# Altium PCB SOM Board with RK3399.PcbDoc (part 4 of 5)
Units mil, origin at the board's own origin, x right, y up, seen from the top; angles counter-clockwise.
Board outline 2740.16 x 1968.5 mil, 12 copper layers (Top Layer, GND-1, PWR-1, PWR-2, GND-2, L1, GND-3, L2, GND-4, L3, GND-5, Bottom Layer), stack 70.898 mil thick; 567 components, 532 nets, 5770 pads, 0 vias.
Unrouted connection lines stored in the file: 2231.
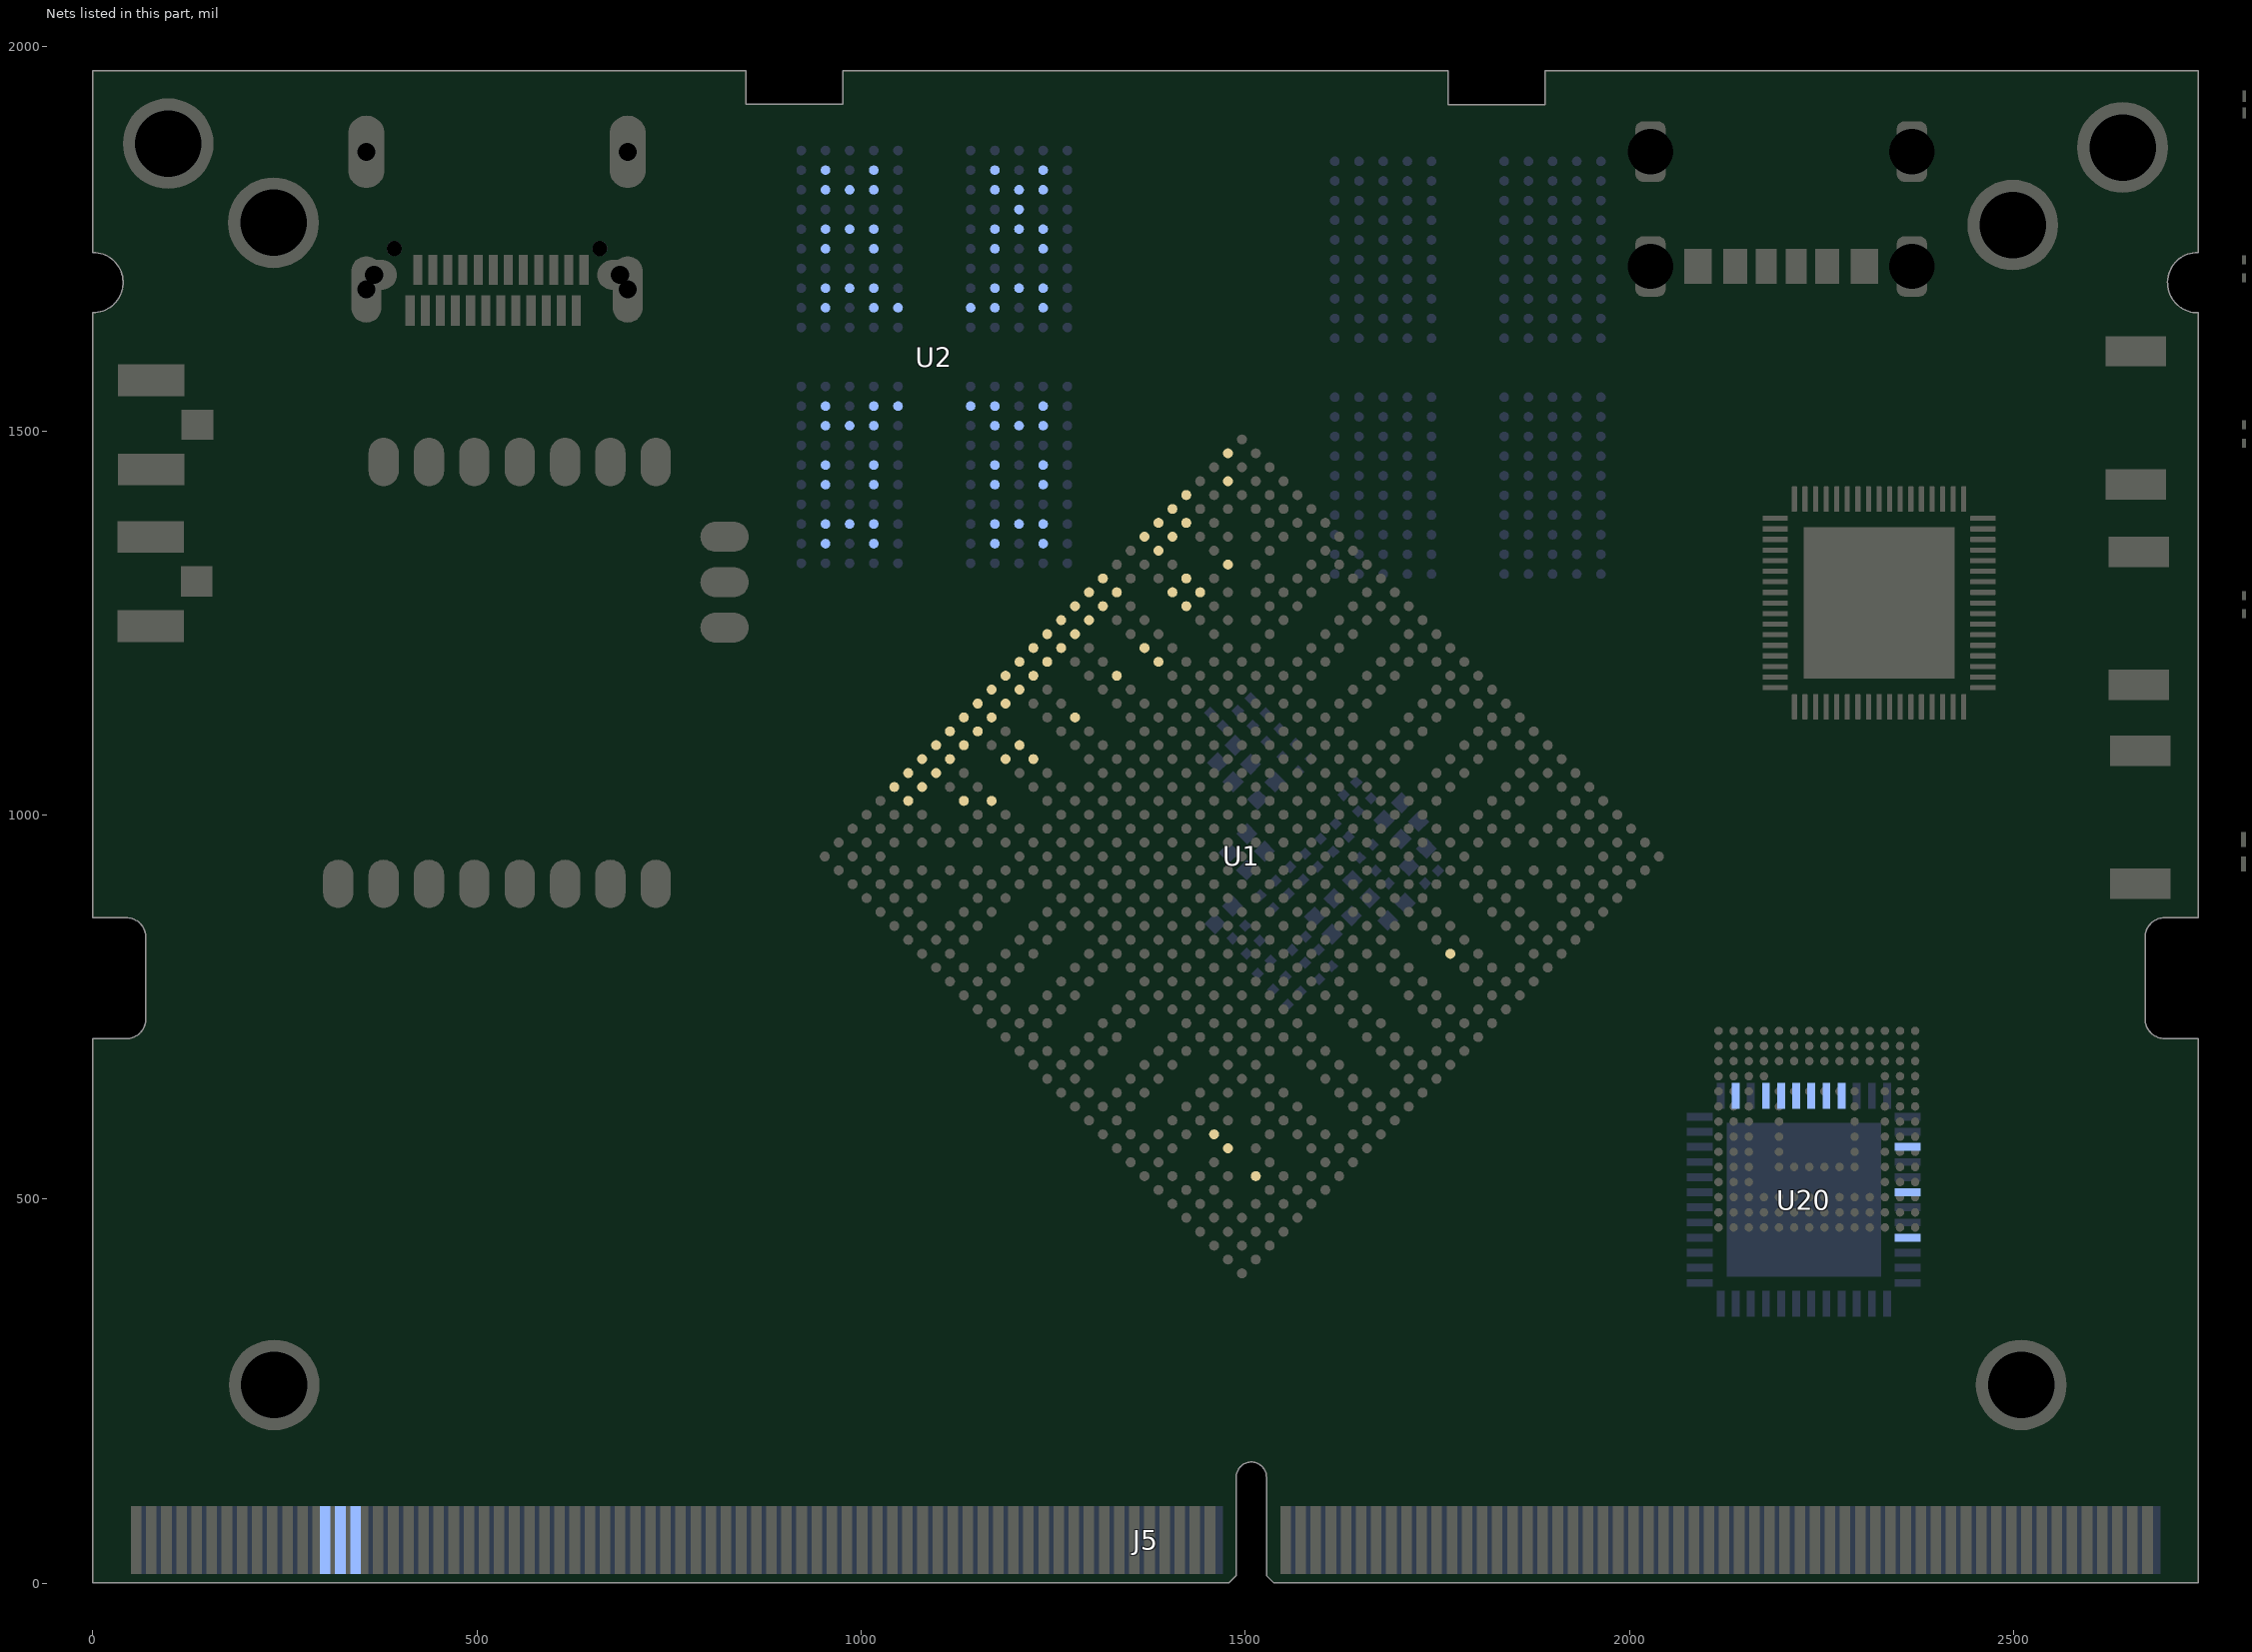
[diagram p11: the nets of this part, all layers, seen from the top]

## Free pads (board coordinates)
  round 0.5 on Mech8: 1(0.02,0.17) 1(0.02,0.17) 1(0.02,1.35) 1(0.02,1.35) 1(0.02,23.79) 1(0.02,23.79) 1(0.02,708.83) 1(0.02,708.83) 1(0.02,866.31) 1(0.02,866.31) 1(0.02,1654.17) 1(0.02,1654.17) 1(0.02,1732.27) 1(0.02,1732.27) 1(0.02,1787.57) 1(0.02,1787.57) 1(0.02,1929.3) 1(0.02,1929.3) 1(0.02,1929.69) 1(0.02,1929.69) 1(0.02,1967.88) 1(0.02,1967.88) 1(0.02,1968.67) 1(0.02,1968.67) 1(0.03,1929.7) 1(0.03,1929.7) 1(0.32,1732.27) 1(0.32,1732.27) 1(0.81,1968.67) 1(0.81,1968.67) 1(1.2,0.17) 1(1.2,0.17) 1(23.65,0.17) 1(23.65,0.17) 1(39.39,1968.67) 1(39.39,1968.67) 1(43.33,708.83) 1(43.33,708.83) 1(43.33,866.31) 1(43.33,866.31) 1(68.92,734.42) 1(68.92,734.42) 1(68.92,840.72) 1(68.92,840.72) 1(850.22,1925.27) 1(850.22,1925.27) 1(850.22,1968.67) 1(850.22,1968.67) 1(976.32,1925.27) 1(976.32,1925.27) 1(976.32,1968.67) 1(976.32,1968.67) 1(1478.37,0.17) 1(1478.37,0.17) 1(1488.21,10.01) 1(1488.21,10.01) 1(1488.21,137.96) 1(1488.21,137.96) 1(1507.9,157.65) 1(1507.9,157.65) 1(1527.58,10.01) 1(1527.58,10.01) 1(1527.58,137.96) 1(1527.58,137.96) 1(1537.43,0.17) 1(1537.43,0.17) 1(1763.72,1968.67) 1(1763.72,1968.67) 1(1763.82,1924.97) 1(1763.82,1924.97) 1(1763.82,1968.57) 1(1763.82,1968.57) 1(1889.92,1924.97) 1(1889.92,1924.97) 1(1889.92,1968.67) 1(1889.92,1968.67) 1(2671.28,734.42) 1(2671.28,734.42) 1(2671.28,840.72) 1(2671.28,840.72) 1(2696.87,708.83) 1(2696.87,708.83) 1(2696.87,866.31) 1(2696.87,866.31) 1(2700.81,1968.67) 1(2700.81,1968.67) 1(2716.56,0.17) 1(2716.56,0.17) 1(2738.61,0.17) 1(2738.61,0.17) 1(2739.72,1732.37) 1(2739.72,1732.37) 1(2740.18,0.17) 1(2740.18,0.17) 1(2740.18,1.74) 1(2740.18,1.74) 1(2740.18,23.79) 1(2740.18,23.79) 1(2740.18,708.83) 1(2740.18,708.83) 1(2740.18,866.31) 1(2740.18,866.31) 1(2740.18,1653.77) 1(2740.18,1653.77) 1(2740.18,1732.37) 1(2740.18,1732.37) 1(2740.18,1787.57) 1(2740.18,1787.57) 1(2740.18,1929.3) 1(2740.18,1929.3) 1(2740.18,1968.67) 1(2740.18,1968.67)
  round 0.5 on Mech4: 1(19.15,1870.24) 1(43.33,236.39) 1(57.02,360.17) 1(58.97,11.96) 1(58.97,11.96) 1(58.97,100.96) 1(58.97,100.96) 1(72.97,11.96) 1(72.97,11.96) 1(72.97,100.96) 1(72.97,100.96) 1(78.65,11.96) 1(78.65,11.96) 1(78.65,100.96) 1(78.65,100.96) 1(92.65,11.96) 1(92.65,11.96) 1(92.65,100.96) 1(92.65,100.96) 1(97.02,1681.17) 1(98.34,11.96) 1(98.34,11.96) 1(98.34,100.96) 1(98.34,100.96) 1(107.02,360.17) 1(112.34,11.96) 1(112.34,11.96) 1(112.34,100.96) 1(112.34,100.96) 1(114.2,236.39) 1(118.02,11.96) 1(118.02,11.96) 1(118.02,100.96) 1(118.02,100.96) 1(132.02,11.96) 1(132.02,11.96) 1(132.02,100.96) 1(132.02,100.96) 1(137.71,11.96) 1(137.71,11.96) 1(137.71,100.96) 1(137.71,100.96) 1(147.02,1681.17) 1(151.71,11.96) 1(151.71,11.96) 1(151.71,100.96) 1(151.71,100.96) 1(157.39,11.96) 1(157.39,11.96) 1(157.39,100.96) 1(157.39,100.96) 1(157.48,244.07) 1(157.48,1771.87) 1(160.31,570.28) 1(160.31,570.28) 1(160.31,593.9) 1(160.31,593.9) 1(160.31,607.68) 1(160.31,607.68) 1(160.31,666.73) 1(160.31,666.73) 1(160.31,678.54) 1(160.31,678.54) 1(160.31,725.79) 1(160.31,725.79) 1(160.31,737.6) 1(160.31,737.6) 1(160.31,796.65) 1(160.31,796.65) 1(160.31,810.43) 1(160.31,810.43) 1(160.31,834.06) 1(160.31,834.06) 1(160.31,1181.28) 1(160.31,1181.28) 1(160.31,1204.9) 1(160.31,1204.9) 1(160.31,1218.68) 1(160.31,1218.68) 1(160.31,1277.73) 1(160.31,1277.73) 1(160.31,1289.54) 1(160.31,1289.54) 1(160.31,1336.79) 1(160.31,1336.79) 1(160.31,1348.6) 1(160.31,1348.6) 1(160.31,1407.65) 1(160.31,1407.65) 1(160.31,1421.43) 1(160.31,1421.43) 1(160.31,1445.06) 1(160.31,1445.06) 1(171.39,11.96) 1(171.39,11.96) 1(171.39,100.96) 1(171.39,100.96) 1(176.63,1870.24) 1(177.08,11.96) 1(177.08,11.96) 1(177.08,100.96) 1(177.08,100.96) 1(191.08,11.96) 1(191.08,11.96) 1(191.08,100.96) 1(191.08,100.96) 1(195.74,570.28) 1(195.74,570.28) 1(195.74,593.9) 1(195.74,593.9) 1(195.74,607.68) 1(195.74,607.68) 1(195.74,666.73) 1(195.74,666.73) 1(195.74,678.54) 1(195.74,678.54) 1(195.74,725.79) 1(195.74,725.79) 1(195.74,737.6) 1(195.74,737.6) 1(195.74,796.65) 1(195.74,796.65) 1(195.74,810.43) 1(195.74,810.43) 1(195.74,834.06) 1(195.74,834.06) 1(195.74,1181.28) 1(195.74,1181.28) 1(195.74,1204.9) 1(195.74,1204.9) 1(195.74,1218.68) 1(195.74,1218.68) 1(195.74,1277.73) 1(195.74,1277.73) 1(195.74,1289.54) 1(195.74,1289.54) 1(195.74,1336.79) 1(195.74,1336.79) 1(195.74,1348.6) 1(195.74,1348.6) 1(195.74,1407.65) 1(195.74,1407.65) 1(195.74,1421.43) 1(195.74,1421.43) 1(195.74,1445.06) 1(195.74,1445.06) 1(196.76,11.96) 1(196.76,11.96) 1(196.76,100.96) 1(196.76,100.96) 1(210.76,11.96) 1(210.76,11.96) 1(210.76,100.96) 1(210.76,100.96) 1(216.45,11.96) 1(216.45,11.96) 1(216.45,100.96) 1(216.45,100.96) 1(230.45,11.96) 1(230.45,11.96) 1(230.45,100.96) 1(230.45,100.96) 1(236.13,11.96) 1(236.13,11.96) 1(236.13,100.96) 1(236.13,100.96) 1(250.13,11.96) 1(250.13,11.96) 1(250.13,100.96) 1(250.13,100.96) 1(255.82,11.96) 1(255.82,11.96) 1(255.82,100.96) 1(255.82,100.96) 1(269.82,11.96) 1(269.82,11.96) 1(269.82,100.96) 1(269.82,100.96) 1(275.5,11.96) 1(275.5,11.96) 1(275.5,100.96) 1(275.5,100.96) 1(289.5,11.96) 1(289.5,11.96) 1(289.5,100.96) 1(289.5,100.96) 1(295.19,11.96) 1(295.19,11.96) 1(295.19,100.96) 1(295.19,100.96) 1(309.19,11.96) 1(309.19,11.96) 1(309.19,100.96) 1(309.19,100.96) 1(314.87,11.96) 1(314.87,11.96) 1(314.87,100.96) 1(314.87,100.96) 1(314.96,244.07) 1(314.96,1771.87) 1(328.87,11.96) 1(328.87,11.96) 1(328.87,100.96) 1(328.87,100.96) 1(334.56,11.96) 1(334.56,11.96) 1(334.56,100.96) 1(334.56,100.96) 1(348.56,11.96) 1(348.56,11.96) 1(348.56,100.96) 1(348.56,100.96) 1(354.24,11.96) 1(354.24,11.96) 1(354.24,100.96) 1(354.24,100.96) 1(368.24,11.96) 1(368.24,11.96) 1(368.24,100.96) 1(368.24,100.96) 1(373.93,11.96) 1(373.93,11.96) 1(373.93,100.96) 1(373.93,100.96) 1(379.63,1914.45) 1(379.63,1914.45) 1(379.63,1949.88) 1(379.63,1949.88) 1(387.93,11.96) 1(387.93,11.96) 1(387.93,100.96) 1(387.93,100.96) 1(393.61,11.96) 1(393.61,11.96) 1(393.61,100.96) 1(393.61,100.96) 1(403.26,1914.45) 1(403.26,1914.45) 1(403.26,1949.88) 1(403.26,1949.88) 1(407.61,11.96) 1(407.61,11.96) 1(407.61,100.96) 1(407.61,100.96) 1(413.3,11.96) 1(413.3,11.96) 1(413.3,100.96) 1(413.3,100.96) 1(417.04,1914.45) 1(417.04,1914.45) 1(417.04,1949.88) 1(417.04,1949.88) 1(427.3,11.96) 1(427.3,11.96) 1(427.3,100.96) 1(427.3,100.96) 1(432.98,11.96) 1(432.98,11.96) 1(432.98,100.96) 1(432.98,100.96) 1(446.98,11.96) 1(446.98,11.96) 1(446.98,100.96) 1(446.98,100.96) 1(452.67,11.96) 1(452.67,11.96) 1(452.67,100.96) 1(452.67,100.96) 1(466.67,11.96) 1(466.67,11.96) 1(466.67,100.96) 1(466.67,100.96) 1(472.35,11.96) 1(472.35,11.96) 1(472.35,100.96) 1(472.35,100.96) 1(476.09,1914.45) 1(476.09,1914.45) 1(476.09,1949.88) 1(476.09,1949.88) 1(486.35,11.96) 1(486.35,11.96) 1(486.35,100.96) 1(486.35,100.96) 1(487.9,1914.45) 1(487.9,1914.45) 1(487.9,1949.88) 1(487.9,1949.88) 1(492.04,11.96) 1(492.04,11.96) 1(492.04,100.96) 1(492.04,100.96) 1(506.04,11.96) 1(506.04,11.96) 1(506.04,100.96) 1(506.04,100.96) 1(511.72,11.96) 1(511.72,11.96) 1(511.72,100.96) 1(511.72,100.96) 1(525.72,11.96) 1(525.72,11.96) 1(525.72,100.96) 1(525.72,100.96) 1(531.41,11.96) 1(531.41,11.96) 1(531.41,100.96) 1(531.41,100.96) 1(535.15,1914.45) 1(535.15,1914.45) 1(535.15,1949.88) 1(535.15,1949.88) 1(545.41,11.96) 1(545.41,11.96) 1(545.41,100.96) 1(545.41,100.96) 1(546.96,1914.45) 1(546.96,1914.45) 1(546.96,1949.88) 1(546.96,1949.88) 1(551.09,11.96) 1(551.09,11.96) 1(551.09,100.96) 1(551.09,100.96) 1(565.09,11.96) 1(565.09,11.96) 1(565.09,100.96) 1(565.09,100.96) 1(570.78,11.96) 1(570.78,11.96) 1(570.78,100.96) 1(570.78,100.96) 1(584.78,11.96) 1(584.78,11.96) 1(584.78,100.96) 1(584.78,100.96) 1(590.46,11.96) 1(590.46,11.96) 1(590.46,100.96) 1(590.46,100.96) 1(604.46,11.96) 1(604.46,11.96) 1(604.46,100.96) 1(604.46,100.96) 1(606.01,1914.45) 1(606.01,1914.45) 1(606.01,1949.88) 1(606.01,1949.88) 1(610.15,11.96) 1(610.15,11.96) 1(610.15,100.96) 1(610.15,100.96) 1(619.79,1914.45) 1(619.79,1914.45) 1(619.79,1949.88) 1(619.79,1949.88) 1(624.15,11.96) 1(624.15,11.96) 1(624.15,100.96) 1(624.15,100.96) 1(629.83,11.96) 1(629.83,11.96) 1(629.83,100.96) 1(629.83,100.96) 1(643.41,1914.45) 1(643.41,1914.45) 1(643.41,1949.88) 1(643.41,1949.88) 1(643.83,11.96) 1(643.83,11.96) 1(643.83,100.96) 1(643.83,100.96) 1(649.52,11.96) 1(649.52,11.96) 1(649.52,100.96) 1(649.52,100.96) 1(663.52,11.96) 1(663.52,11.96) 1(663.52,100.96) 1(663.52,100.96) 1(669.2,11.96) 1(669.2,11.96) 1(669.2,100.96) 1(669.2,100.96) 1(683.2,11.96) 1(683.2,11.96) 1(683.2,100.96) 1(683.2,100.96) 1(688.89,11.96) 1(688.89,11.96) 1(688.89,100.96) 1(688.89,100.96) 1(702.89,11.96) 1(702.89,11.96) 1(702.89,100.96) 1(702.89,100.96) 1(708.57,11.96) 1(708.57,11.96) 1(708.57,100.96) 1(708.57,100.96) 1(722.57,11.96) 1(722.57,11.96) 1(722.57,100.96) 1(722.57,100.96) 1(728.26,11.96) 1(728.26,11.96) 1(728.26,100.96) 1(728.26,100.96) 1(742.26,11.96) 1(742.26,11.96) 1(742.26,100.96) 1(742.26,100.96) 1(747.94,11.96) 1(747.94,11.96) 1(747.94,100.96) 1(747.94,100.96) 1(761.94,11.96) 1(761.94,11.96) 1(761.94,100.96) 1(761.94,100.96) 1(767.63,11.96) 1(767.63,11.96) 1(767.63,100.96) 1(767.63,100.96) 1(781.63,11.96) 1(781.63,11.96) 1(781.63,100.96) 1(781.63,100.96) 1(787.31,11.96) 1(787.31,11.96) 1(787.31,100.96) 1(787.31,100.96) 1(801.31,11.96) 1(801.31,11.96) 1(801.31,100.96) 1(801.31,100.96) 1(807,11.96) 1(807,11.96) 1(807,100.96) 1(807,100.96) 1(821,11.96) 1(821,11.96) 1(821,100.96) 1(821,100.96) 1(826.68,11.96) 1(826.68,11.96) 1(826.68,100.96) 1(826.68,100.96) 1(840.68,11.96) 1(840.68,11.96) 1(840.68,100.96) 1(840.68,100.96) 1(846.37,11.96) 1(846.37,11.96) 1(846.37,100.96) 1(846.37,100.96) 1(860.37,11.96) 1(860.37,11.96) 1(860.37,100.96) 1(860.37,100.96) 1(866.05,11.96) 1(866.05,11.96) 1(866.05,100.96) 1(866.05,100.96) 1(880.05,11.96) 1(880.05,11.96) 1(880.05,100.96) 1(880.05,100.96) 1(885.74,11.96) 1(885.74,11.96) 1(885.74,100.96) 1(885.74,100.96) 1(899.74,11.96) 1(899.74,11.96) 1(899.74,100.96) 1(899.74,100.96) 1(905.43,11.96) 1(905.43,11.96) 1(905.43,100.96) 1(905.43,100.96) 1(919.43,11.96) 1(919.43,11.96) 1(919.43,100.96) 1(919.43,100.96) 1(925.11,11.96) 1(925.11,11.96) 1(925.11,100.96) 1(925.11,100.96) 1(939.11,11.96) 1(939.11,11.96) 1(939.11,100.96) 1(939.11,100.96) 1(944.8,11.96) 1(944.8,11.96) 1(944.8,100.96) 1(944.8,100.96) 1(958.8,11.96) 1(958.8,11.96) 1(958.8,100.96) 1(958.8,100.96) 1(964.48,11.96) 1(964.48,11.96) 1(964.48,100.96) 1(964.48,100.96) 1(978.48,11.96) 1(978.48,11.96) 1(978.48,100.96) 1(978.48,100.96) 1(984.17,11.96) 1(984.17,11.96) 1(984.17,100.96) 1(984.17,100.96) 1(998.17,11.96) 1(998.17,11.96) 1(998.17,100.96) 1(998.17,100.96) 1(1003.85,11.96) 1(1003.85,11.96) 1(1003.85,100.96) 1(1003.85,100.96) 1(1017.85,11.96) 1(1017.85,11.96) 1(1017.85,100.96) 1(1017.85,100.96) 1(1023.54,11.96) 1(1023.54,11.96) 1(1023.54,100.96) 1(1023.54,100.96) 1(1037.54,11.96) 1(1037.54,11.96) 1(1037.54,100.96) 1(1037.54,100.96) 1(1043.22,11.96) 1(1043.22,11.96) 1(1043.22,100.96) 1(1043.22,100.96) 1(1057.22,11.96) 1(1057.22,11.96) 1(1057.22,100.96) 1(1057.22,100.96) 1(1062.91,11.96) 1(1062.91,11.96) 1(1062.91,100.96) 1(1062.91,100.96) 1(1076.91,11.96) 1(1076.91,11.96) 1(1076.91,100.96) 1(1076.91,100.96) 1(1082.59,11.96) 1(1082.59,11.96) 1(1082.59,100.96) 1(1082.59,100.96) 1(1096.59,11.96) 1(1096.59,11.96) 1(1096.59,100.96) 1(1096.59,100.96) 1(1102.28,11.96) 1(1102.28,11.96) 1(1102.28,100.96) 1(1102.28,100.96) 1(1116.28,11.96) 1(1116.28,11.96) 1(1116.28,100.96) 1(1116.28,100.96) 1(1121.96,11.96) 1(1121.96,11.96) 1(1121.96,100.96) 1(1121.96,100.96) 1(1135.96,11.96) 1(1135.96,11.96) 1(1135.96,100.96) 1(1135.96,100.96) 1(1141.65,11.96) 1(1141.65,11.96) 1(1141.65,100.96) 1(1141.65,100.96) 1(1155.65,11.96) 1(1155.65,11.96) 1(1155.65,100.96) 1(1155.65,100.96) 1(1161.33,11.96) 1(1161.33,11.96) 1(1161.33,100.96) 1(1161.33,100.96) 1(1175.33,11.96) 1(1175.33,11.96) 1(1175.33,100.96) 1(1175.33,100.96) 1(1181.02,11.96) 1(1181.02,11.96) 1(1181.02,100.96) 1(1181.02,100.96) 1(1195.02,11.96) 1(1195.02,11.96) 1(1195.02,100.96) 1(1195.02,100.96) 1(1200.7,11.96) 1(1200.7,11.96) 1(1200.7,100.96) 1(1200.7,100.96) 1(1214.7,11.96) 1(1214.7,11.96) 1(1214.7,100.96) 1(1214.7,100.96) 1(1220.39,11.96) 1(1220.39,11.96) 1(1220.39,100.96) 1(1220.39,100.96) 1(1234.39,11.96) 1(1234.39,11.96) 1(1234.39,100.96) 1(1234.39,100.96) 1(1237.63,1914.45) 1(1237.63,1914.45) 1(1237.63,1949.88) 1(1237.63,1949.88) 1(1240.07,11.96) 1(1240.07,11.96) 1(1240.07,100.96) 1(1240.07,100.96) 1(1254.07,11.96) 1(1254.07,11.96) 1(1254.07,100.96) 1(1254.07,100.96) 1(1259.76,11.96) 1(1259.76,11.96) 1(1259.76,100.96) 1(1259.76,100.96) 1(1261.26,1914.45) 1(1261.26,1914.45) 1(1261.26,1949.88) 1(1261.26,1949.88) 1(1273.76,11.96) 1(1273.76,11.96) 1(1273.76,100.96) 1(1273.76,100.96) 1(1275.04,1914.45) 1(1275.04,1914.45) 1(1275.04,1949.88) 1(1275.04,1949.88) 1(1279.44,11.96) 1(1279.44,11.96) 1(1279.44,100.96) 1(1279.44,100.96) 1(1293.44,11.96) 1(1293.44,11.96) 1(1293.44,100.96) 1(1293.44,100.96) 1(1299.13,11.96) 1(1299.13,11.96) 1(1299.13,100.96) 1(1299.13,100.96) 1(1313.13,11.96) 1(1313.13,11.96) 1(1313.13,100.96) 1(1313.13,100.96) 1(1318.81,11.96) 1(1318.81,11.96) 1(1318.81,100.96) 1(1318.81,100.96) 1(1332.81,11.96) 1(1332.81,11.96) 1(1332.81,100.96) 1(1332.81,100.96) 1(1334.09,1914.45) 1(1334.09,1914.45) 1(1334.09,1949.88) 1(1334.09,1949.88) 1(1338.5,11.96) 1(1338.5,11.96) 1(1338.5,100.96) 1(1338.5,100.96) 1(1345.9,1914.45) 1(1345.9,1914.45) 1(1345.9,1949.88) 1(1345.9,1949.88) 1(1352.5,11.96) 1(1352.5,11.96) 1(1352.5,100.96) 1(1352.5,100.96) 1(1358.18,11.96) 1(1358.18,11.96) 1(1358.18,100.96) 1(1358.18,100.96) 1(1372.18,11.96) 1(1372.18,11.96) 1(1372.18,100.96) 1(1372.18,100.96) 1(1377.87,11.96) 1(1377.87,11.96) 1(1377.87,100.96) 1(1377.87,100.96) 1(1391.87,11.96) 1(1391.87,11.96) 1(1391.87,100.96) 1(1391.87,100.96) 1(1393.15,1914.45) 1(1393.15,1914.45) 1(1393.15,1949.88) 1(1393.15,1949.88) 1(1397.55,11.96) 1(1397.55,11.96) 1(1397.55,100.96) 1(1397.55,100.96) 1(1404.96,1914.45) 1(1404.96,1914.45) 1(1404.96,1949.88) 1(1404.96,1949.88) 1(1411.55,11.96) 1(1411.55,11.96) 1(1411.55,100.96) 1(1411.55,100.96) 1(1417.24,11.96) 1(1417.24,11.96) 1(1417.24,100.96) 1(1417.24,100.96) 1(1431.24,11.96) 1(1431.24,11.96) 1(1431.24,100.96) 1(1431.24,100.96) 1(1436.92,11.96) 1(1436.92,11.96) 1(1436.92,100.96) 1(1436.92,100.96) 1(1450.92,11.96) 1(1450.92,11.96) 1(1450.92,100.96) 1(1450.92,100.96) 1(1456.61,11.96) 1(1456.61,11.96) 1(1456.61,100.96) 1(1456.61,100.96) 1(1464.01,1914.45) 1(1464.01,1914.45) 1(1464.01,1949.88) 1(1464.01,1949.88) 1(1470.61,11.96) 1(1470.61,11.96) 1(1470.61,100.96) 1(1470.61,100.96) 1(1477.79,1914.45) 1(1477.79,1914.45) 1(1477.79,1949.88) 1(1477.79,1949.88) 1(1501.41,1914.45) 1(1501.41,1914.45) 1(1501.41,1949.88) 1(1501.41,1949.88) 1(1555.03,11.96) 1(1555.03,11.96) 1(1555.03,100.96) 1(1555.03,100.96) 1(1569.03,11.96) 1(1569.03,11.96) 1(1569.03,100.96) 1(1569.03,100.96) 1(1574.72,11.96) 1(1574.72,11.96) 1(1574.72,100.96) 1(1574.72,100.96) 1(1588.72,11.96) 1(1588.72,11.96) 1(1588.72,100.96) 1(1588.72,100.96) 1(1594.4,11.96) 1(1594.4,11.96) 1(1594.4,100.96) 1(1594.4,100.96) 1(1608.4,11.96) 1(1608.4,11.96) 1(1608.4,100.96) 1(1608.4,100.96) 1(1614.09,11.96) 1(1614.09,11.96) 1(1614.09,100.96) 1(1614.09,100.96) 1(1628.09,11.96) 1(1628.09,11.96) 1(1628.09,100.96) 1(1628.09,100.96) 1(1633.77,11.96) 1(1633.77,11.96) 1(1633.77,100.96) 1(1633.77,100.96) 1(1647.77,11.96) 1(1647.77,11.96) 1(1647.77,100.96) 1(1647.77,100.96) 1(1653.46,11.96) 1(1653.46,11.96) 1(1653.46,100.96) 1(1653.46,100.96) 1(1667.46,11.96) 1(1667.46,11.96) 1(1667.46,100.96) 1(1667.46,100.96) 1(1673.14,11.96) 1(1673.14,11.96) 1(1673.14,100.96) 1(1673.14,100.96) 1(1687.14,11.96) 1(1687.14,11.96) 1(1687.14,100.96) 1(1687.14,100.96) 1(1692.83,11.96) 1(1692.83,11.96) 1(1692.83,100.96) 1(1692.83,100.96) 1(1706.83,11.96) 1(1706.83,11.96) 1(1706.83,100.96) 1(1706.83,100.96) 1(1712.51,11.96) 1(1712.51,11.96) 1(1712.51,100.96) 1(1712.51,100.96) 1(1726.51,11.96) 1(1726.51,11.96) 1(1726.51,100.96) 1(1726.51,100.96) 1(1732.2,11.96) 1(1732.2,11.96) 1(1732.2,100.96) 1(1732.2,100.96) 1(1746.2,11.96) 1(1746.2,11.96) 1(1746.2,100.96) 1(1746.2,100.96) 1(1751.88,11.96) 1(1751.88,11.96) 1(1751.88,100.96) 1(1751.88,100.96) 1(1765.88,11.96) 1(1765.88,11.96) 1(1765.88,100.96) 1(1765.88,100.96) 1(1771.57,11.96) 1(1771.57,11.96) 1(1771.57,100.96) 1(1771.57,100.96) 1(1785.57,11.96) 1(1785.57,11.96) 1(1785.57,100.96) 1(1785.57,100.96) 1(1791.25,11.96) 1(1791.25,11.96) 1(1791.25,100.96) 1(1791.25,100.96) 1(1805.25,11.96) 1(1805.25,11.96) 1(1805.25,100.96) 1(1805.25,100.96) 1(1810.94,11.96) 1(1810.94,11.96) 1(1810.94,100.96) 1(1810.94,100.96) 1(1824.94,11.96) 1(1824.94,11.96) 1(1824.94,100.96) 1(1824.94,100.96) 1(1830.62,11.96) 1(1830.62,11.96) 1(1830.62,100.96) 1(1830.62,100.96) 1(1844.62,11.96) 1(1844.62,11.96) 1(1844.62,100.96) 1(1844.62,100.96) 1(1850.31,11.96) 1(1850.31,11.96) 1(1850.31,100.96) 1(1850.31,100.96) 1(1864.31,11.96) 1(1864.31,11.96) 1(1864.31,100.96) 1(1864.31,100.96) 1(1869.99,11.96) 1(1869.99,11.96) 1(1869.99,100.96) 1(1869.99,100.96) 1(1883.99,11.96) 1(1883.99,11.96) 1(1883.99,100.96) 1(1883.99,100.96) 1(1889.68,11.96) 1(1889.68,11.96) 1(1889.68,100.96) 1(1889.68,100.96) 1(1903.68,11.96) 1(1903.68,11.96) 1(1903.68,100.96) 1(1903.68,100.96) 1(1909.36,11.96) 1(1909.36,11.96) 1(1909.36,100.96) 1(1909.36,100.96) 1(1923.36,11.96) 1(1923.36,11.96) 1(1923.36,100.96) 1(1923.36,100.96) 1(1929.05,11.96) 1(1929.05,11.96) 1(1929.05,100.96) 1(1929.05,100.96) 1(1943.05,11.96) 1(1943.05,11.96) 1(1943.05,100.96) 1(1943.05,100.96) 1(1948.73,11.96) 1(1948.73,11.96) 1(1948.73,100.96) 1(1948.73,100.96) 1(1962.73,11.96) 1(1962.73,11.96) 1(1962.73,100.96) 1(1962.73,100.96) 1(1968.42,11.96) 1(1968.42,11.96) 1(1968.42,100.96) 1(1968.42,100.96) 1(1982.42,11.96) 1(1982.42,11.96) 1(1982.42,100.96) 1(1982.42,100.96) 1(1988.1,11.96) 1(1988.1,11.96) 1(1988.1,100.96) 1(1988.1,100.96) 1(2002.1,11.96) 1(2002.1,11.96) 1(2002.1,100.96) 1(2002.1,100.96) 1(2007.79,11.96) 1(2007.79,11.96) 1(2007.79,100.96) 1(2007.79,100.96) 1(2021.79,11.96) 1(2021.79,11.96) 1(2021.79,100.96) 1(2021.79,100.96) 1(2027.47,11.96) 1(2027.47,11.96) 1(2027.47,100.96) 1(2027.47,100.96) 1(2041.47,11.96) 1(2041.47,11.96) 1(2041.47,100.96) 1(2041.47,100.96) 1(2047.16,11.96) 1(2047.16,11.96) 1(2047.16,100.96) 1(2047.16,100.96) 1(2061.16,11.96) 1(2061.16,11.96) 1(2061.16,100.96) 1(2061.16,100.96) 1(2066.84,11.96) 1(2066.84,11.96) 1(2066.84,100.96) 1(2066.84,100.96) 1(2080.84,11.96) 1(2080.84,11.96) 1(2080.84,100.96) 1(2080.84,100.96) 1(2086.53,11.96) 1(2086.53,11.96) 1(2086.53,100.96) 1(2086.53,100.96) 1(2096.13,1914.45) 1(2096.13,1914.45) 1(2096.13,1949.88) 1(2096.13,1949.88) 1(2100.53,11.96) 1(2100.53,11.96) 1(2100.53,100.96) 1(2100.53,100.96) 1(2106.21,11.96) 1(2106.21,11.96) 1(2106.21,100.96) 1(2106.21,100.96) 1(2119.76,1914.45) 1(2119.76,1914.45) 1(2119.76,1949.88) 1(2119.76,1949.88) 1(2120.21,11.96) 1(2120.21,11.96) 1(2120.21,100.96) 1(2120.21,100.96) 1(2125.9,11.96) 1(2125.9,11.96) 1(2125.9,100.96) 1(2125.9,100.96) 1(2133.54,1914.45) 1(2133.54,1914.45) 1(2133.54,1949.88) 1(2133.54,1949.88) 1(2139.9,11.96) 1(2139.9,11.96) 1(2139.9,100.96) 1(2139.9,100.96) 1(2145.58,11.96) 1(2145.58,11.96) 1(2145.58,100.96) 1(2145.58,100.96) 1(2159.58,11.96) 1(2159.58,11.96) 1(2159.58,100.96) 1(2159.58,100.96) 1(2165.27,11.96) 1(2165.27,11.96) 1(2165.27,100.96) 1(2165.27,100.96) 1(2179.27,11.96) 1(2179.27,11.96) 1(2179.27,100.96) 1(2179.27,100.96) 1(2184.88,1897.39) 1(2184.95,11.96) 1(2184.95,11.96) 1(2184.95,100.96) 1(2184.95,100.96) 1(2192.59,1914.45) 1(2192.59,1914.45) 1(2192.59,1949.88) 1(2192.59,1949.88) 1(2194.88,1897.39) 1(2198.95,11.96) 1(2198.95,11.96) 1(2198.95,100.96) 1(2198.95,100.96) 1(2204.4,1914.45) 1(2204.4,1914.45) 1(2204.4,1949.88) 1(2204.4,1949.88) 1(2204.64,11.96) 1(2204.64,11.96) 1(2204.64,100.96) 1(2204.64,100.96) 1(2210.47,1897.39) 1(2218.64,11.96) 1(2218.64,11.96) 1(2218.64,100.96) 1(2218.64,100.96) 1(2220.47,1897.39) 1(2224.32,11.96) 1(2224.32,11.96) 1(2224.32,100.96) 1(2224.32,100.96) 1(2236.06,1897.39) 1(2238.32,11.96) 1(2238.32,11.96) 1(2238.32,100.96) 1(2238.32,100.96) 1(2244.01,11.96) 1(2244.01,11.96) 1(2244.01,100.96) 1(2244.01,100.96) 1(2246.06,1897.39) 1(2251.65,1914.45) 1(2251.65,1914.45) 1(2251.65,1949.88) 1(2251.65,1949.88) 1(2258.01,11.96) 1(2258.01,11.96) 1(2258.01,100.96) 1(2258.01,100.96) 1(2263.46,1914.45) 1(2263.46,1914.45) 1(2263.46,1949.88) 1(2263.46,1949.88) 1(2263.69,11.96) 1(2263.69,11.96) 1(2263.69,100.96) 1(2263.69,100.96) 1(2277.69,11.96) 1(2277.69,11.96) 1(2277.69,100.96) 1(2277.69,100.96) 1(2283.38,11.96) 1(2283.38,11.96) 1(2283.38,100.96) 1(2283.38,100.96) 1(2288.52,1892.67) 1(2297.38,11.96) 1(2297.38,11.96) 1(2297.38,100.96) 1(2297.38,100.96) 1(2303.06,11.96) 1(2303.06,11.96) 1(2303.06,100.96) 1(2303.06,100.96) 1(2317.06,11.96) 1(2317.06,11.96) 1(2317.06,100.96) 1(2317.06,100.96) 1(2319.52,1892.67) 1(2322.51,1914.45) 1(2322.51,1914.45) 1(2322.51,1949.88) 1(2322.51,1949.88) 1(2322.75,11.96) 1(2322.75,11.96) 1(2322.75,100.96) 1(2322.75,100.96) 1(2336.29,1914.45) 1(2336.29,1914.45) 1(2336.29,1949.88) 1(2336.29,1949.88) 1(2336.75,11.96) 1(2336.75,11.96) 1(2336.75,100.96) 1(2336.75,100.96) 1(2342.43,11.96) 1(2342.43,11.96) 1(2342.43,100.96) 1(2342.43,100.96) 1(2356.43,11.96) 1(2356.43,11.96) 1(2356.43,100.96) 1(2356.43,100.96) 1(2359.91,1914.45) 1(2359.91,1914.45) 1(2359.91,1949.88) 1(2359.91,1949.88) 1(2362.12,11.96) 1(2362.12,11.96) 1(2362.12,100.96) 1(2362.12,100.96) 1(2376.12,11.96) 1(2376.12,11.96) 1(2376.12,100.96) 1(2376.12,100.96) 1(2381.8,11.96) 1(2381.8,11.96) 1(2381.8,100.96) 1(2381.8,100.96) 1(2395.8,11.96) 1(2395.8,11.96) 1(2395.8,100.96) 1(2395.8,100.96) 1(2401.49,11.96) 1(2401.49,11.96) 1(2401.49,100.96) 1(2401.49,100.96) 1(2415.49,11.96) 1(2415.49,11.96) 1(2415.49,100.96) 1(2415.49,100.96) 1(2421.17,11.96) 1(2421.17,11.96) 1(2421.17,100.96) 1(2421.17,100.96) 1(2425.18,1771.47) 1(2435.17,11.96) 1(2435.17,11.96) 1(2435.17,100.96) 1(2435.17,100.96) 1(2440.86,11.96) 1(2440.86,11.96) 1(2440.86,100.96) 1(2440.86,100.96) 1(2454.86,11.96) 1(2454.86,11.96) 1(2454.86,100.96) 1(2454.86,100.96) 